# KiCad board central-control-unit.kicad_pcb (continued)
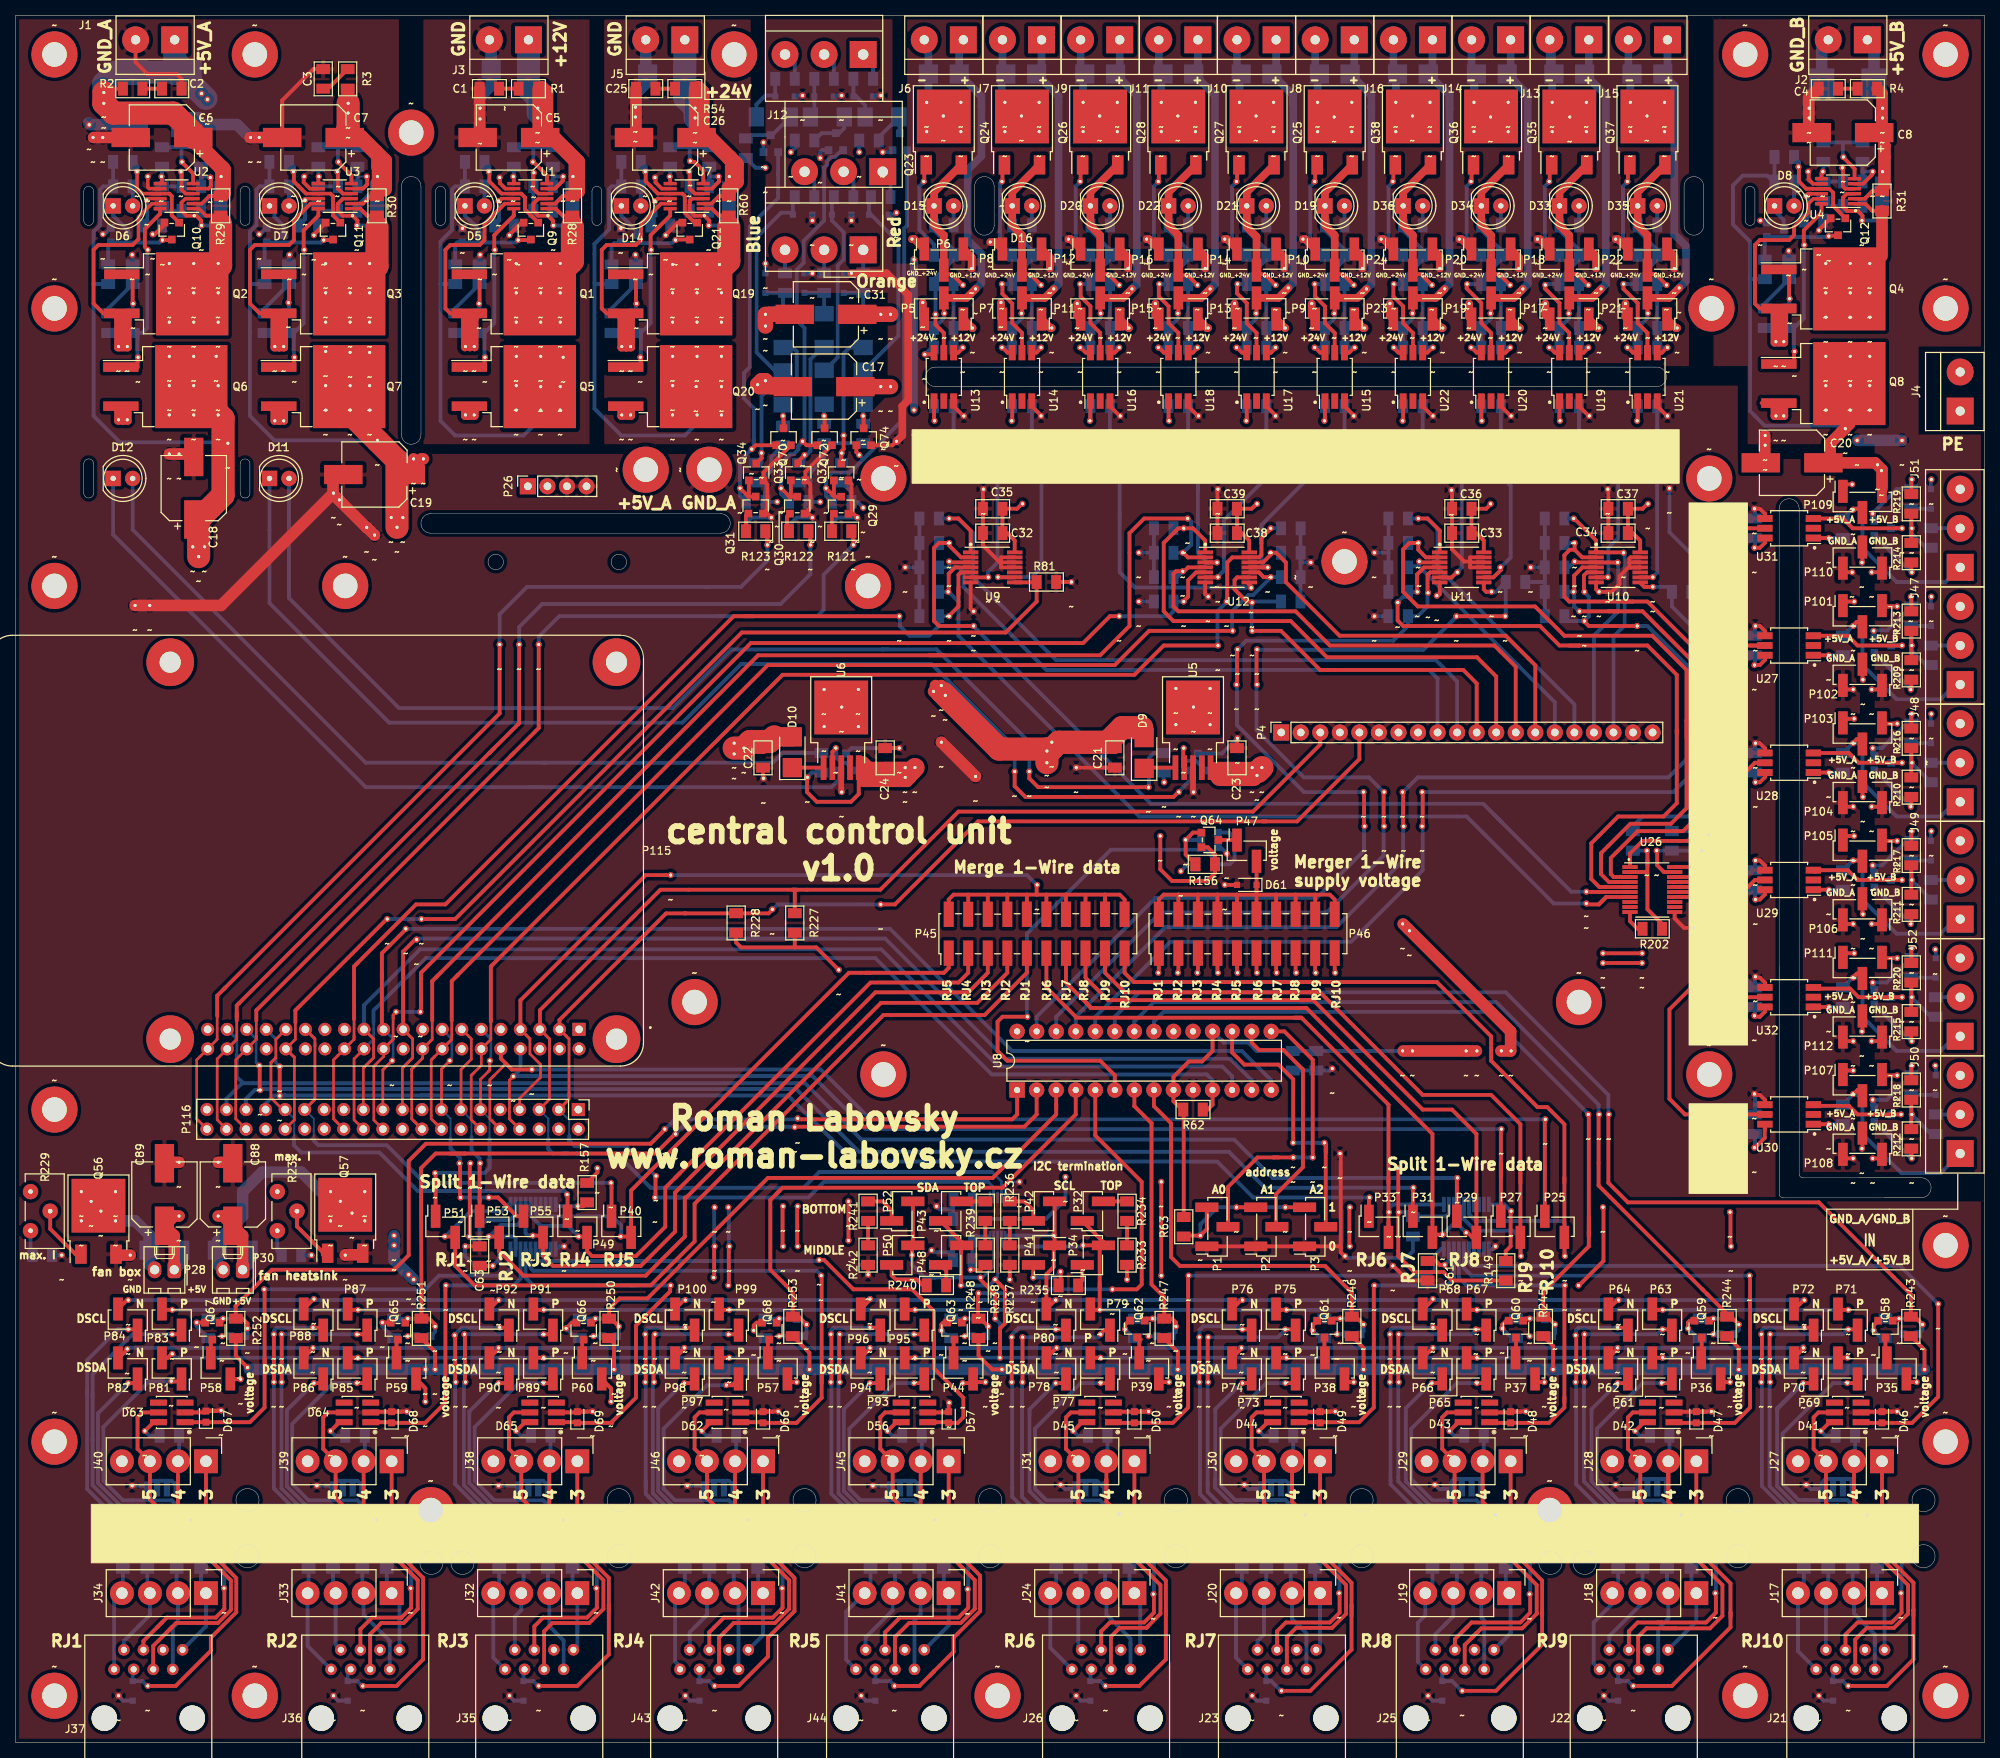
[diagram p0: board, top side]
## Routing (per net, layer and track width the routed paths; a pad name or vN(x,y) marks a point on that pad's centre or on a via; arc(x,y) is an arc through that point) (continued)
GND_B: length 240.5
  Top w0.45: U4.8 233.61,202.65
  Top w0.5: 233.61,202.65 233.05,203.21 233.05,204.22 ; Q12.2 234.34,196.6 234.32,196.6 ; 241.3,121.67 242.04,121.67 P104.1 ; 241.3,106.43 242.04,106.43 P106.1 ; P110.1 242.04,152.15 241.3,152.15 ; 241.3,136.91 242.04,136.91 P102.1 ; 241.3,75.95 242.04,75.95 P108.1 ; P112.1 242.04,91.19 241.3,91.19
  Top w1.5: 233.05,212.47 233.05,209.68 C8.2 ; 227.33,169.93 227.33,167 227.08,166.75 ; C4.2 233.05,213.74 233.05,211.2
  GND.Cu w0.5: 243.12,152.7 242.57,152.15 241.3,152.15 ; 230.51,193.84 230.51,197.04 ; 241.3,75.95 242.57,75.95 243.12,75.39 ; 243.12,106.98 242.57,106.43 241.3,106.43 ; 233.05,204.22 233.05,205.49 ; 241.3,136.91 242.57,136.91 243.12,137.46 ; 243.12,91.27 243.04,91.19 241.3,91.19 ; 243.12,121.11 242.57,121.67 241.3,121.67 ; 234.32,196.6 234.32,197.87
  GND.Cu w1: 226.81,197.86 226.8,197.82 227.74,196.88 227.74,196.82
  GND.Cu w1.5: 232.85,198.12 234.63,199.9 234.63,202.06 233.05,203.65 233.05,204.22 233.13,204.3 233.13,205.5 233.05,205.58 233.05,212.47 ; 232.85,198.12 232.85,197.87 234.32,197.87 ; 232.85,198.12 231.55,196.82 227.74,196.82 226.06,195.14 226.06,192.6 ; 243.12,123.02 243.12,141.91 ; 243.12,123.02 243.12,91.27 ; 243.12,123.02 243.12,121.11 ; 239.4,169.29 227.97,169.29 227.33,169.93 ; 243.12,91.27 243.12,90.63 ; 243.12,91.27 243.12,75.39 ; 226.06,192.6 226.06,194.5 ; 226.06,192.6 226.06,171.2 227.33,169.93 ; 227.33,169.29 227.33,168.66 227.33,169.93 ; 243.12,161.12 243.12,162.39 ; 243.12,161.12 243.12,163.5 245.11,165.48 245.11,169.29 ; 243.12,161.12 243.12,141.91 ; 243.12,141.91 243.12,148.35 243.12,145.1
  Bottom w0.5: C16.2 230.51,193.84 ; 227.58,197.62 Q16.2 227.35,197.87 226.7,197.87 ; C12.2 234.95,197.23 234.32,196.6
  Bottom w1.5: 233.05,211.2 233.05,213.97 D4.2 234.73,220.5 J2.2 ; 239.4,169.29 245.11,169.29
1WIRE_CELLAR_FIREPLACE_DATA_3V3: length 41.8
  Top w0.25: P51.1 54.61,69.05 ; 61.59,87.38 61.59,88.65
  Top w0.35: 61.44,87.22 61.66,87.44 ~#371.~ ; 61.44,87.22 61.59,87.38 ; 61.44,87.22 60.45,86.23 P116.11
  Top w0.5: 54.61,74.04 P51.1
  Bottom w0.25: 61.63,75.34 61.63,81.12 P116.11 ; 61.59,88.65 61.72,88.77 ; 61.72,91.55 60.55,92.72
  Bottom w0.35: ~#371.~ 61.7,88.69 ; 61.79,88.69 61.79,91.48 60.55,92.72 61.7,91.57
  Bottom w0.5: 61.59,78.49 61.63,78.49 61.63,75.91 ; 61.63,75.34 61.63,75.91 ; 61.63,75.91 61.63,74.71 60.96,74.04 54.61,74.04
1WIRE_CELLAR_FIREPLACE_DATA_5V_CON: length 40.6
  Top w0.5: 21.59,37.04 J40.2 ; J40.2 21.12,30.69 22.86,28.96 ; J40.2 21.12,36.88 ; 27.16,20.07 27.16,17.38 26.03,16.26 19.69,16.26 19.05,15.62 ; 21.41,35.88 21.62,36.08 ; 19.05,15.62 18.42,14.99 ; 19.05,15.62 16.64,13.21 J37.4
  Bottom w0.5: R274.2 21.27,36.72 J40.2 ; 22.86,28.96 27.16,24.66 27.16,20.07
1WIRE_CELLAR_FIREPLACE_GND_CON: length 50.4
  Top w0.5: J40.3 17.48,31.61 28.01,21.09 28.01,17.24 26.32,15.56 20.89,15.56 20.32,14.99 ; J40.3 15.88,38.19 15.88,42.29 16.51,42.93 D63.5 ; J40.3 16.51,37.55 ; 20.32,14.99 19.69,14.35 ; 20.32,14.99 20.32,14.98 17.91,12.57 J37.5
1WIRE_CELLAR_FIREPLACE_SUPPLY_5V_CON: length 218.3
  Top w0.5: 90.8,64.52 90.8,60.49 ; J40.1 24.77,25.32 28.71,21.38 28.71,16.95 25.4,13.64 25.4,11.94 20.83,7.37 17.15,7.37 ; ~#81.~ 27.96,47.24 P58.2 ; P46.1 148.59,100.08 ; 29.1,47.27 29.21,47.37
  PWR.Cu w0.5: 90.8,60.49 76.18,60.49 73.18,57.5 73.18,53.24 71.25,51.31 65.09,51.31 59.47,45.69 47.85,45.69 45.72,43.56 ; 29.21,47.37 29.21,41.66 ; 29.21,41.66 29.21,37.21 28.57,36.58 J40.1 ; 29.21,41.66 31.75,41.66 ; 45.72,43.56 43.81,41.66 31.75,41.66 ; 45.72,43.56 45.09,42.93 ; 31.75,41.66 31.11,41.66 ; 130.81,100.08 115.13,100.08 90.8,75.76 90.8,69.6 ; 130.81,100.08 129.54,100.08 ; 130.81,100.08 148.59,100.08
  Bottom w0.5: 17.15,7.37 16.51,8 D71.1 15.24,9.4 J37.3 ; 90.8,64.52 90.8,69.6
1WIRE_FIRST_FLOOR_FIREPLACE_DATA_3V3: length 28.5
  Top w0.25: 60.33,70.23 P53.1
  Top w0.35: P115.13 59.25,91.48 59.25,88.84 57.91,87.5 P116.13
  Top w0.5: 60.33,75.31 60.33,70.68 ; 60.33,70.68 P53.1 ; 60.33,70.68 60.33,70.34
  Bottom w0.25: 59.28,78.71 59.28,80.93 P116.13
  Bottom w0.5: 60.33,75.31 60.33,75.95 59.28,76.99 59.28,78.71
1WIRE_FIRST_FLOOR_FIREPLACE_DATA_5V_CON: length 35.9
  Top w0.5: 51.43,20.07 51.43,17.53 50.16,16.25 46.35,16.25 44.83,14.73 J36.4 ; 45.25,37.04 J39.2 45.25,30.69 46.99,28.96
  Bottom w0.5: J39.2 45.4,36.72 R272.2 ; 51.43,20.07 51.43,24.51 46.99,28.96
1WIRE_FIRST_FLOOR_FIREPLACE_GND_CON: length 45.1
  Top w0.5: 46.1,9.53 46.1,14.1 47.56,15.55 50.45,15.55 52.29,17.39 52.29,21.12 41.61,31.79 J39.3 40,38.19 40,42.29 40.64,42.93 D64.5
1WIRE_FIRST_FLOOR_FIREPLACE_SUPPLY_5V_CON: length 197.2
  Top w0.5: 92.71,59.44 92.71,64.52 ; 52.99,17.1 52.99,18.44 ; 52.99,18.44 52.99,21.41 48.89,25.5 J39.1 ; 52.99,18.44 52.99,10.82 49.53,7.37 45.09,7.37 ; ~#175.~ 53.28,46.06 P59.2 ; P46.3 151.13,100.08 ; P59.2 52.17,47.37 ; P59.2 53.11,46.23
  PWR.Cu w0.5: 92.71,59.44 91.44,59.44 ; 91.44,59.44 92.08,59.44 ; 91.44,59.44 87.01,59.44 80.24,52.67 80.24,49.31 77.56,46.63 74.21,46.63 73.35,45.78 ; 151.13,100.08 151.13,99.44 150.5,98.81 130.18,98.81 ; 130.18,98.81 128.27,98.81 ; 130.18,98.81 128.27,98.81 ; ~#175.~ 53.28,44.07 53.34,44.01 53.34,41.66 ; J39.1 51.43,36.58 53.34,38.48 53.34,41.66 ; 53.34,41.66 69.23,41.66 73.35,45.78 ; 73.35,45.78 73.04,45.47 ; 92.71,69.6 92.71,75.12 116.4,98.81 128.27,98.81
  Bottom w0.5: 92.71,64.52 92.71,69.6 ; 45.09,7.37 44.45,8 D72.1 43.18,9.14 J36.3
1WIRE_FREE1_DATA_3V3: length 167.3
  Top w0.5: P33.1 175.9,70.87 ; 34.29,88.01 34.35,87.95 34.35,84.11
  Bottom w0.25: 33.78,88.52 34.29,88.01
  Bottom w0.35: 33.85,88.9 33.85,91.48 P115.33 33.78,91.55 ; 33.85,88.9 33.85,88.52 ; 33.85,88.9 33.85,88.39 ~#368.~
  Bottom w0.5: 52.77,84.14 100.39,84.14 109,75.53 156.18,75.53 160.85,70.87 175.9,70.87 ; 52.77,84.14 54.29,84.14 53.91,84.14 ; 52.77,84.14 34.99,84.14 ; P116.33 32.51,83.06 33.57,84.11 34.35,84.11 34.38,84.14 34.99,84.14 ; 34.99,84.14 34.35,84.14
1WIRE_FREE1_DATA_5V_CON: length 38.9
  Top w0.5: 141.78,31.96 141.78,34.21 141.78,31.33 143.51,29.59 ; 147.96,19.43 147.96,16.89 146.69,15.62 142.24,15.62 141.1,14.48 J26.4 ; J31.2 141.78,33.57
  Bottom w0.5: 147.96,19.43 147.96,25.21 ~#65.~ ; R269.2 141.92,36.72 J31.2
1WIRE_FREE1_GND_CON: length 45.8
  Top w0.5: D45.5 137.16,42.93 136.53,42.29 136.53,38.19 J31.3 138.14,31.16 148.81,20.49 148.81,16.75 147.18,15.13 ; 147.18,15.13 146.97,14.92 ; 147.18,15.13 146.97,14.92 ; 146.97,14.92 143.51,14.92 142.37,13.78 142.37,9.53
1WIRE_FREE1_SUPPLY_5V_CON: length 171.2
  Top w0.5: ~#153.~ 148.99,46.86 148.59,47.27 148.7,47.37 ; J31.1 145.42,25.15 149.51,21.06 149.51,17.17 ; 149.51,17.17 149.51,16.46 ; 149.51,17.17 149.51,10.82 146.05,7.37 141.61,7.37 ; ~#309.~ ~#239.~ ; P46.11 161.29,100.08
  PWR.Cu w0.5: 150.08,72.99 150.9,72.99 ; 150.9,72.99 148.82,72.99 ; 150.9,72.99 180.56,72.99 182.88,75.31 182.88,93.73 181.61,95 163.83,95 161.29,97.54 161.29,100.08 ; 152.34,46.61 152.08,46.86 ~#153.~ ; 152.34,46.61 152.34,40.96 147.96,36.58 J31.1 ; 152.34,46.61 152.34,57.28 150.75,58.86 ; 150.75,58.86 151.07,58.55 ; 150.75,58.86 149.35,60.26 ; 149.86,59.75 149.35,60.26 ; 149.35,60.26 ~#239.~
  Bottom w0.5: 141.61,7.37 140.97,8 D55.1 139.7,9.4 J26.3
1WIRE_FREE2_DATA_3V3: length 175.8
  Top w0.5: P31.1 181.61,72.14 ; 31.75,84.84 31.75,88.01
  Bottom w0.25: 30.07,92.72 31.24,91.55 ; 31.24,88.52 31.75,88.01
  Bottom w0.35: ~#367.~ 31.29,88.41 31.29,91.5 30.07,92.72
  Bottom w0.5: 70.61,84.96 101.47,84.96 109.63,76.8 157.7,76.8 162.37,72.14 181.61,72.14 ; 70.61,84.96 33.15,84.96 ; 70.61,84.96 71.63,84.96 ; P116.35 29.97,83.69 31.11,84.84 31.75,84.84 31.88,84.96 33.53,84.96 33.15,84.96 ; 33.15,84.96 32.64,84.96
1WIRE_FREE2_DATA_5V_CON: length 39.1
  Top w0.5: 167.64,29.59 165.91,31.33 165.91,32.6 165.91,31.96 165.91,37.21 ; J23.4 163.96,14.47 165.1,15.62 170.81,15.62 172.09,16.89 172.09,19.43
  Bottom w0.5: ~#69.~ 172.02,25.15 172.09,25.15 172.09,19.43 ; R271.2 166.05,36.72 J30.2
1WIRE_FREE2_GND_CON: length 47.4
  Top w0.5: J23.5 165.23,13.71 166.44,14.92 171.1,14.92 172.94,16.75 172.94,20.49 162.27,31.16 162.27,37.21 ; D44.5 161.29,42.93 160.66,42.29 160.66,38.19 J30.3
1WIRE_FREE2_SUPPLY_5V_CON: length 149.8
  Top w0.5: J30.1 169.55,24.87 173.64,20.78 173.64,17.88 ; P46.13 163.83,100.08 ; 173.64,17.88 173.64,12.09 168.28,6.73 164.47,6.73 ; 173.64,17.88 173.64,16.46 ; 173.36,64.52 173.36,69.6 ; ~#252.~ 173.12,46.86 P38.2 172.83,47.37 ; 168.49,36.16 169.55,37.21
  PWR.Cu w0.5: 168.69,37.43 J30.1 172.72,36.58 173.99,37.85 173.99,53.72 ; 173.36,69.6 173.77,70.01 183.29,70.01 186.06,72.77 186.06,95 184.79,96.27 164.47,96.27 163.83,96.9 163.83,100.08 ; 173.99,53.72 173.99,63.88 173.36,64.52 ; 173.99,53.72 173.99,53.09
  Bottom w0.5: 164.47,6.73 163.2,8 D54.1 162.56,9.4 J23.3
1WIRE_FREE3_DATA_3V3: length 184.3
  Top w0.5: P29.1 187.33,72.14 ; 187.33,72.14 187.33,73.41 ; 187.33,72.14 187.33,72.2
  Bottom w0.35: 28.77,91.48 P115.37 28.7,91.55 ; 28.77,89.41 28.77,91.31
  Bottom w0.5: 29.59,85.72 32,85.72 ; 29.59,85.72 28.77,86.55 28.77,89.41 ; 29.59,85.72 29.24,86.07 ; 29.59,85.72 29.46,85.72 27.43,83.69 P116.37 ; 108.27,80.07 108.58,79.76 ; 108.27,80.07 102.62,85.72 32,85.72 ; 108.27,80.07 109.95,78.39 158.4,78.39 163.39,73.41 187.33,73.41 ; 32,85.72 32.64,85.72 31.5,85.72
1WIRE_FREE3_DATA_5V_CON: length 39.1
  Top w0.5: 196.85,19.43 196.85,16.89 195.58,15.62 189.23,15.62 188.6,14.98 ; J29.2 190.67,31.33 192.41,29.59 ; 188.6,14.98 187.96,14.35 ; 188.6,14.98 187.07,13.46 J25.4
  Bottom w0.5: J29.2 190.82,36.72 R268.2 ; ~#71.~ 192.34,29.46 196.85,24.96 196.85,19.43
1WIRE_FREE3_GND_CON: length 48.8
  Top w0.5: 189.23,13.59 189.93,14.29 ; 189.93,14.29 188.34,12.7 J25.5 ; 189.93,14.29 190.5,14.86 195.8,14.86 197.7,16.75 197.7,20.49 187.03,31.16 J29.3 185.42,38.19 185.42,42.29 186.06,42.93 D43.5
1WIRE_FREE3_SUPPLY_5V_CON: length 152.3
  Top w0.5: 206.38,69.6 206.38,62.61 203.2,59.44 ; 198.4,17.17 198.4,21.06 194.31,25.15 J29.1 ; 198.4,17.17 198.4,16.46 ; 198.4,17.17 198.4,12.73 192.41,6.73 187.96,6.73 ; ~#86.~ 197.89,46.86 P37.2 197.59,47.37 ; P46.15 166.37,100.08
  PWR.Cu w0.5: 166.37,100.08 166.37,98.17 167.01,97.54 189.87,97.54 201.93,85.47 201.93,80.39 206.38,75.95 206.38,69.6 ; 203.2,59.44 201.26,57.5 201.26,47.15 ; 201.26,47.15 200.98,46.86 ~#86.~ ; 201.26,47.15 201.26,40.35 197.49,36.58 J29.1 194.31,37.85
  Bottom w0.5: J25.3 185.42,9.14 D53.1 186.69,8 187.96,6.73
1WIRE_FREE4_DATA_3V3: length 161.5
  Top w0.25: P116.8 64.36,80.93 ; 64.36,86.24 64.77,86.65
  Top w0.35: 64.38,86.29 ~#372.~ 64.2,86.11 64.2,81.09 P116.8 64.38,80.91
  Top w0.5: 193.04,68.43 193.04,75.31 ; 193.04,75.31 193.04,73.51 ; 193.04,75.31 193.04,79.76
  Bottom w0.25: 65.41,89.92 65.5,90.01
  Bottom w0.5: 193.04,79.76 133.99,79.76 ; 133.99,79.76 110.49,79.76 103.59,86.65 64.77,86.65 65.63,87.51 P115.8 ; 133.99,79.76 132.72,79.76
1WIRE_FREE4_DATA_5V_CON: length 46.5
  Top w0.5: 213.36,15.62 214,15.62 ; 214,15.62 210.82,15.62 209.68,14.48 J22.4 ; 214,15.62 219.71,15.62 220.98,16.89 220.98,19.43 ; 214.8,34.84 J28.2 ; 216.54,29.59 214.8,31.33 214.8,35.48 214.8,31.96
  Bottom w0.5: R266.2 214.95,36.72 J28.2 ; 220.98,19.43 220.98,23.52 ; 220.98,23.52 220.98,25.08 220.41,25.65 ; 220.98,23.52 220.98,24.51 ; 220.41,25.65 220.66,25.4 ; 220.41,25.65 ~#74.~
1WIRE_FREE4_GND_CON: length 51.7
  Top w0.5: D42.5 210.19,42.93 209.55,42.29 209.55,38.19 J28.3 211.16,31.16 221.83,20.49 221.83,16.47 220.22,14.86 215.77,14.86 ; 215.77,14.86 214.12,14.86 ; 215.77,14.86 211.96,14.86 210.88,13.77 210.88,9.59 J22.5
1WIRE_FREE4_SUPPLY_5V_CON: length 172.8
  Top w0.5: 222.89,16.89 222.89,16.26 ; 222.89,16.89 222.89,14.99 215.27,7.37 210.19,7.37 ; 222.89,16.89 222.89,20.7 218.44,25.15 J28.1 ; 222.89,64.52 222.89,68.96 ; 206.38,101.35 211.46,101.35 ; ~#143.~ 222.02,46.86 P36.2 221.72,47.37 ; P46.17 168.91,100.08
  PWR.Cu w0.5: ~#276.~ 222.95,58.93 225.49,56.39 225.49,46.61 ; 225.49,46.61 225.49,40.45 221.62,36.58 ; 225.49,46.61 225.23,46.86 ~#143.~ ; 211.46,98.81 211.46,98.17 ; 211.46,98.17 211.46,80.39 222.89,68.96 ; 211.46,98.17 211.46,101.35 ; 168.91,100.08 168.91,99.44 169.55,98.81 186.69,98.81 189.23,101.35 206.38,101.35 ; 221.62,36.58 J28.1 ; 221.62,36.58 222.89,37.85
  Bottom w0.5: J22.3 208.28,9.4 D52.1 209.55,8 210.19,7.37
1WIRE_FREE5_DATA_3V3: length 164.9
  Top w0.35: 62.2,86.71 63.75,88.26 ; 62.2,86.71 61.66,86.17 61.66,81.09 P116.10 61.84,80.91 ; 62.2,86.71 61.84,86.35
  Top w0.5: P25.1 198.76,81.03 ; P115.10 63.09,88.93 64.52,87.5 67.06,87.5
  Bottom w0.5: 198.76,81.03 111.12,81.03 104.65,87.5 67.06,87.5 67.12,87.57
1WIRE_FREE5_DATA_5V_CON: length 36.9
  Top w0.5: 240.67,29.59 238.93,31.33 238.93,36.58 ; J21.4 237.82,14.05 239.4,15.62 243.84,15.62 245.11,16.89 245.11,19.43
  Bottom w0.5: ~#78.~ 245.11,25.08 245.11,23.69 ; 238.93,36.58 239.08,36.72 R270.2 ; 245.11,23.69 245.11,24.51 ; 245.11,23.69 245.11,19.43
1WIRE_FREE5_GND_CON: length 45.7
  Top w0.5: J21.5 239.09,13.41 240.6,14.92 244.13,14.92 245.96,16.75 245.96,20.49 235.29,31.16 J27.3 233.68,38.19 233.68,42.29 234.32,42.93 D41.5
1WIRE_FREE5_SUPPLY_5V_CON: length 189.4
  Top w0.5: 246.66,16.46 246.66,17.25 ; 246.66,17.25 246.66,20.78 242.57,24.87 J27.1 ; 246.66,17.25 246.66,10.82 243.21,7.37 238.12,7.37 ; 245.85,47.37 P35.2 246.15,46.86 ~#136.~ ; P46.19 171.45,100.08 ; 206.38,102.62 211.46,102.62
  PWR.Cu w0.5: J27.1 245.3,36.58 246.06,37.34 246.06,42.93 249.87,46.74 ; 212.73,98.81 212.73,81.03 224.16,69.6 244.03,69.6 244.79,68.83 244.79,60.2 249.87,55.12 249.87,46.74 ; 212.73,98.81 212.73,101.98 212.09,102.62 211.46,102.62 ; 212.73,98.81 212.73,99.44 ; ~#136.~ 249.75,46.86 249.87,46.74 ; 206.38,102.62 187.96,102.62 185.42,100.08 171.45,100.08
  Bottom w0.5: J21.3 236.22,9.19 D51.1 237.49,8 238.12,7.37
1WIRE_HOT_WATER_TANK_DATA_3V3: length 59.9
  Top w0.35: 33.76,88.94 33.21,88.39 ; 33.21,88.39 33.21,83.82 34.73,82.3 P116.31 ; 33.21,88.39 33.85,89.03 33.85,91.42 P115.31
  Top w0.5: P49.1 71.75,71.31
  Bottom w0.25: 36.23,79.72 36.23,78.52 36.2,78.49 ; 36.23,79.72 36.23,79.38 ; 36.23,79.72 36.23,81.12 P116.31
  Bottom w0.5: 36.2,77.85 36.2,78.3 ; 36.2,78.3 36.2,77.66 37.15,76.71 47.31,76.71 52.3,71.72 71.35,71.72 71.75,71.31 ; 36.2,78.3 36.2,78.49
1WIRE_HOT_WATER_TANK_DATA_5V_CON: length 40.3
  Top w0.5: 93.52,37.04 J46.2 93.52,31.96 ; 93.52,31.33 93.52,31.96 ; 93.52,31.96 93.52,30.69 95.25,28.96 ; J43.4 90.17,14.35 92.08,16.25 98.42,16.25 99.69,17.53 99.69,20.07
  Bottom w0.5: 95.25,28.96 99.69,24.51 99.69,20.07 ; R275.2 93.66,36.72 J46.2 ; 89.66,11.81 90.8,11.81
1WIRE_HOT_WATER_TANK_GND_CON: length 48.9
  Top w0.5: 92.08,14.28 92.11,14.32 ; 92.11,14.32 91.44,13.65 J43.5 ; 92.11,14.32 93.34,15.55 98.71,15.55 100.55,17.39 100.55,21.12 89.88,31.79 J46.3 88.27,38.19 88.27,42.29 88.9,42.93 D62.5 89.53,42.93
1WIRE_HOT_WATER_TANK_SUPPLY_5V_CON: length 159.7
  Top w0.5: J46.1 97.16,35.31 ; J46.1 97.16,25.5 101.25,21.41 101.25,17.1 97.79,13.64 97.79,13.08 ; J46.1 97.16,35.94 96.52,35.31 ; 90.8,7.37 93.98,7.37 97.79,11.18 97.79,13.08 ; ~#215.~ 100.73,46.86 P57.2 ; 101.6,64.52 101.6,69.6 ; 97.79,11.81 97.79,13.08 ; P46.7 156.21,100.08
  PWR.Cu w0.5: 156.21,100.08 156.21,97.54 154.94,96.27 125.92,96.27 121.6,91.95 121.6,84.33 111.32,74.04 104.77,74.04 101.6,70.87 101.6,69.6 ; 97.79,36.58 J46.1 99.69,36.58 101.6,38.48 101.6,64.52
  Bottom w0.5: 90.8,7.37 90.17,8 D70.1 J43.3
1WIRE_MERGE_CONNECTION_DATA_3V3: length 142.5
  Top w0.35: 68.26,86.61 68.26,88.14 66.87,89.53 66.87,91.48 P115.7 66.8,91.55 ; 68.26,86.61 68.26,86.49 65.53,83.76 P116.7 ; 68.26,86.61 68.26,87.76
  Top w0.5: P45.6 126.36,110.24 ; 141.61,110.24 143.51,110.24 144.15,109.6 P45.20 ; 141.61,110.24 136.53,110.24 ; 141.61,110.24 P45.18 ; 123.83,110.24 128.91,110.24 ; 123.83,110.24 P45.4 ; 123.83,110.24 121.92,110.24 121.29,109.6 P45.2 ; 128.91,110.24 P45.8 ; 128.91,110.24 131.45,110.24 ; P45.12 133.99,110.24 ; 133.99,110.24 136.53,110.24 ; 133.99,110.24 132.72,110.24 ; 136.53,110.24 P45.14 ; 132.72,110.24 132.72,111.51 ; 132.72,110.24 131.45,110.24 ; 131.45,110.24 P45.10 ; 85.09,112.78 81.91,112.78 65.63,96.49 P115.7 ; P45.16 139.07,110.22
  Bottom w0.5: 132.72,111.51 131.45,112.78 85.09,112.78
1WIRE_OUTDOOR_SENSOR_DATA_3V3: length 65.5
  Top w0.35: 38.86,91.55 P115.29 38.93,91.48 38.93,90.55 ; 38.93,90.55 38.93,83.63 P116.29 38.86,83.57 ; 38.93,90.55 38.93,90.93
  Top w0.5: P40.1 77.47,72.77
  Bottom w0.25: P116.29 38.77,81.12 38.77,79.72 ; 38.77,79.38 38.77,79.72 ; 38.77,79.72 38.77,78.52 38.73,78.49
  Bottom w0.5: 77.47,72.77 53.15,72.77 48.26,77.66 39.37,77.66 38.73,78.3 38.73,78.49
1WIRE_OUTDOOR_SENSOR_DATA_5V_CON: length 39.4
  Top w0.5: J44.4 113.03,14.35 114.94,16.25 122.55,16.25 123.83,17.53 123.83,20.07 ; J45.2 117.64,30.69 119.38,28.96
  Bottom w0.5: R267.2 117.79,36.72 J45.2 ; 119.38,28.96 123.83,24.51 123.83,20.07
1WIRE_OUTDOOR_SENSOR_GND_CON: length 50.5
  Top w0.5: J44.5 114.3,13.72 116.14,15.55 122.84,15.55 124.68,17.39 124.68,21.12 114,31.79 J45.3 112.39,38.19 112.39,42.29 113.03,42.93 D56.5 113.66,42.93
1WIRE_OUTDOOR_SENSOR_SUPPLY_5V_CON: length 165.8
  Top w0.5: P46.9 158.75,100.08 ; P44.2 123.93,46.74 ~#228.~ ; P44.2 124.86,46.86 ~#158.~ ; P44.2 124.57,47.37 ; 114.3,7.37 117.48,7.37 119.38,9.27 ; ~#992.~ ~#991.~ ; 118.74,8.64 119.38,9.27 ; 119.38,9.27 119.38,9.27 ; 119.38,9.27 121.92,11.81 121.92,13.64 125.38,17.1 125.38,21.69 121.29,25.78 J45.1
  PWR.Cu w0.5: 158.75,100.08 158.75,97.54 156.43,95.21 128.04,95.21 124.14,91.31 124.14,83.06 112.71,71.63 109.54,71.63 ~#991.~ ; ~#228.~ 118.11,51.75 118.11,56.9 115.98,59.02 108.81,59.02 108.27,59.56 ~#992.~ ; J45.1 124.46,36.58 126.05,38.16 ~#158.~
  Bottom w0.5: J44.3 D60.1 113.66,8 114.3,7.37
1WIRE_SECOND_FLOOR_FIREPLACE_DATA_3V3: length 45.4
  Top w0.25: 65.02,68.58 64.04,69.56 ; P116.15 55.37,87.5 56.52,88.65
  Top w0.35: P116.15 55.37,87.57 ~#370.~
  Top w0.5: 57.78,71.5 57.78,75.31 ; 57.78,71.5 57.78,70.78 ; 57.78,71.5 57.78,73.41 ; 61.59,70.87 62.73,70.87 65.16,68.43 P55.1
  Bottom w0.25: 56.64,91.55 P115.15 ; P116.15 56.55,81.12 56.55,78.52
  Bottom w0.35: P115.15 56.71,91.48 56.71,91.06 ; ~#370.~ 56.71,88.9 56.71,91.06 ; 56.71,91.06 56.71,91.34
  Bottom w0.5: 57.78,70.78 57.88,70.87 61.59,70.87 ; 57.78,75.31 57.78,76.01 56.55,77.25 ; 56.55,77.25 56.55,78.52 ; 56.55,77.25 56.57,77.25
1WIRE_SECOND_FLOOR_FIREPLACE_DATA_5V_CON: length 37.6
  Top w0.5: 71.12,28.96 69.39,30.69 J38.2 69.39,37.04 ; J35.4 67.44,15.11 68.58,16.25 74.29,16.25 75.56,17.53 75.56,20.07
  Bottom w0.5: 71.12,28.96 75.56,24.51 75.56,20.07 ; J38.2 69.53,36.72 R273.2
1WIRE_SECOND_FLOOR_FIREPLACE_GND_CON: length 46.8
  Top w0.5: J35.5 68.71,14.47 69.78,15.54 69.78,15.55 74.58,15.55 76.42,17.39 76.42,21.12 65.75,31.79 J38.3 64.14,38.19 64.14,42.29 64.77,42.93 D65.5
1WIRE_SECOND_FLOOR_FIREPLACE_SUPPLY_5V_CON: length 182.4
  Top w0.5: 77.12,17.88 77.12,11.46 73.02,7.37 67.94,7.37 ; 77.12,17.88 77.12,17.1 ; 77.12,17.88 77.12,21.41 73.02,25.5 J38.1 ; ~#166.~ 77.41,46.06 76.2,47.27 76.3,47.37 ; 99.69,64.52 99.69,69.6 ; P46.5 153.67,100.08
  PWR.Cu w0.5: 153.67,100.08 153.67,98.17 153.04,97.54 130.81,97.54 ; 130.81,97.54 128.91,97.54 129.73,97.54 ; 130.81,97.54 129.73,97.54 ; 77.47,41.66 86.36,41.66 94.23,49.53 99.25,49.53 100.52,50.8 100.52,63.75 ~#118.~ ; 129.73,97.54 124.02,97.54 119.7,93.22 119.7,84.96 110.05,75.31 103.5,75.31 99.69,71.5 99.69,69.6 ; ~#166.~ 77.41,38.42 75.56,36.58 J38.1 73.66,36.58
  Bottom w0.5: 67.94,7.37 67.31,8 D73.1 66.04,9.4 J35.3
/1-Wire bus/1WIRE_CELLAR_FIREPLACE_DATA_5V: length 62.9
  Top w0.5: D63.1 D67.1 30.48,41.66 32.38,43.56 32.38,49.91 ; 32.38,49.91 32.38,49.28 ; 32.38,49.91 32.38,58.93
  Bottom w0.25: 64.36,62.49 64.3,62.44 ; 64.36,61.56 64.3,61.51
  Bottom w0.5: 64.36,61.56 U24.20 ; 64.3,61.51 63.5,60.71 55.05,60.71 53.28,58.93 32.38,58.93
/1-Wire bus/1WIRE_CELLAR_FIREPLACE_DATA_OUT_3V3: length 112.8
  Top w0.5: 55.88,65.79 57.05,65.79 P51.2 57.15,61.98 59.69,59.44 82.55,59.44 88.27,65.15 88.27,70.04 112.81,94.58 125.95,94.58 131.45,100.08 P45.9
  Bottom w0.5: 55.88,65.79 59.18,69.09 63.18,69.09 64.05,69.96 U24.1
/1-Wire bus/1WIRE_FIRST_FLOOR_FIREPLACE_DATA_5V: length 40
  Top w0.5: D64.1 48.8,41.66 D68.1 53.25,41.57 55.88,44.2 55.88,59.44
  Bottom w0.25: U24.18 65.66,63.5
  Bottom w0.5: 65.66,63.5 65.66,60.32 64.77,59.44 55.88,59.44
/1-Wire bus/1WIRE_FIRST_FLOOR_FIREPLACE_DATA_OUT_3V3: length 100.2
  Top w0.5: 101.92,85.6 112.49,96.17 125,96.17 128.91,100.08 P45.7 ; 101.92,85.6 101.38,85.06 ; 101.92,85.6 87,70.68 ; 87,70.68 87,70.87 ; 87,70.68 87,65.79 81.91,60.71 66.04,60.71 62.86,63.88 P53.2 62.76,65.79 61.59,65.79
  Bottom w0.5: U24.3 65.66,67.75 65.18,67.28 63.09,67.28 61.59,65.79
/1-Wire bus/1WIRE_FREE1_DATA_5V: length 65
  Top w0.5: 152.4,60.71 152.4,43.56 150.41,41.57 144.87,41.57 ; 144.87,41.57 D50.1 146.37,41.57 ; 144.87,41.57 142.79,41.57 D45.1
  Bottom w0.5: U23.20 185.25,64.15 184.47,63.37 184.47,61.47 183.71,60.71 152.4,60.71
/1-Wire bus/1WIRE_FREE1_DATA_OUT_3V3: length 82.5
  Top w0.5: 178.44,73.41 178.44,72.77 ; 178.44,73.41 178.44,67.06 ; 178.44,73.41 178.44,82.93 167.13,94.23 166.24,94.23 ; P45.11 133.99,98.17 137.8,94.36 ; 178.44,67.06 P33.2 ; 178.44,67.06 178.44,67.69 ; 166.24,94.23 167.01,94.23 ; 166.24,94.23 137.8,94.23
  Bottom w0.5: U23.1 179.62,69.96 ; 179.43,69.96 179.62,69.96 ; 179.62,69.96 178.99,69.96 178.5,69.47 ~#108.~
/1-Wire bus/1WIRE_FREE2_DATA_5V: length 44.2
  Top w0.5: 168.91,41.66 174.62,41.66 176.53,43.56 176.53,50.55 176.53,49.91 ; 168.91,41.66 169.46,41.66 D49.1 ; 168.91,41.66 D44.1 ; 176.53,49.91 176.53,49.28 ; 176.53,49.91 176.53,59.44
  Bottom w0.25: 186.94,64.15 186.94,63.63
  Bottom w0.5: 186.94,63.63 186.94,61.59 ; 186.94,61.59 186.94,60.32 186.06,59.44 176.53,59.44 ; 186.94,61.59 186.94,62.23
/1-Wire bus/1WIRE_FREE2_DATA_OUT_3V3: length 83.7
  Top w0.5: 184.15,69.6 184.15,70.23 ; 184.15,70.23 184.15,79.12 167.77,95.5 166.5,95.5 ; 184.15,70.23 184.15,65.68 184.51,66.04 ~#106.~ ; 166.5,95.5 167.64,95.5 ; 166.5,95.5 140.46,95.5 ; 139.07,96.27 136.53,98.81 P45.13 ; 139.07,96.27 139.7,95.63 ; 139.07,96.27 139.83,95.5 140.46,95.5 ; 140.46,95.5 139.7,95.5
  Bottom w0.25: 186.94,68.77 186.94,69.96
  Bottom w0.5: ~#106.~ 186.94,67.5 186.94,69.96
/1-Wire bus/1WIRE_FREE3_DATA_5V: length 45.6
  Top w0.5: 201.3,59.44 201.3,44.83 ; 201.3,44.83 201.3,43.56 199.3,41.57 D48.1 191.68,41.57 D43.1 ; 201.3,44.83 201.3,44.2
  Bottom w0.25: U23.17 187.59,63.51 187.64,63.46
  Bottom w0.5: 201.3,59.44 188.59,59.44 187.59,60.44 U23.17
/1-Wire bus/1WIRE_FREE3_DATA_OUT_3V3: length 83.9
  Top w0.5: 188.59,66.42 189.34,65.68 P29.2 189.87,68.33 ; 189.87,68.33 189.87,79.12 186.69,82.3 182.88,82.3 168.66,96.52 166.75,96.52 ; 189.87,68.33 189.87,67.59 ; P45.15 139.07,99.44 141.99,96.52 166.75,96.52 ; 166.75,96.52 168.28,96.52
  Bottom w0.5: U23.4 187.59,67.24 ~#105.~ 188.4,66.42
/1-Wire bus/1WIRE_FREE4_DATA_5V: length 71
  Top w0.5: 217.72,41.57 215.63,41.57 D42.1 ; 217.72,41.57 D47.1 ; 217.72,41.57 223.43,41.57 225.43,43.56 225.43,48.64 ; 225.43,60.71 225.43,48.64 ; 225.43,48.64 225.43,48.01
  Bottom w0.25: 188.24,62.97 188.24,64.24
  Bottom w0.5: 188.91,61.02 189.23,60.71 225.43,60.71 ; 188.91,61.02 188.24,61.7 U23.16 ; 188.91,61.02 188.59,61.34
/1-Wire bus/1WIRE_FREE4_DATA_OUT_3V3: length 98
  Top w0.5: 195.58,74.04 195.58,80.39 191.77,84.2 182.88,84.2 169.55,97.54 168.28,97.54 ; 195.58,74.04 195.58,72.77 ; 195.58,74.04 P27.2 195.58,63.25 ; 168.28,97.54 168.66,97.54 ; 168.28,97.54 144.15,97.54 141.61,100.08 P45.17 141.61,100.71
  Bottom w0.5: U23.5 188.24,68.05 189.74,66.55 194.63,66.55 195.64,65.53 ~#102.~
/1-Wire bus/1WIRE_FREE5_DATA_5V: length 92.3
  Top w0.5: ~#135.~ 249.87,44.96 246.48,41.57 245.21,41.57 ; D41.1 240.49,41.66 240.58,41.57 D46.1 245.21,41.57 ; 245.21,41.57 246.29,41.57
  Bottom w0.5: U23.15 188.89,62.32 189.23,61.98 240.98,61.98 ; ~#135.~ 244.92,61.98 240.98,61.98 ; 240.98,61.98 243.65,61.98
/1-Wire bus/1WIRE_FREE5_DATA_OUT_3V3: length 110.6
  Top w0.5: 201.3,73.41 201.3,80.39 199.07,82.61 197.8,82.61 191.77,88.65 191.77,91.82 184.72,98.87 145.35,98.87 144.15,100.08 P45.19 ; 201.3,73.41 P25.2 201.3,63.25 ; 201.3,73.41 201.3,72.77
  Bottom w0.25: 201.3,63.25 201.3,67.5 200.98,67.82
  Bottom w0.5: U23.6 188.89,68.71 189.78,67.82 200.98,67.82 201.36,67.44 ~#101.~
/1-Wire bus/1WIRE_HOT_WATER_TANK_DATA_5V: length 71.6
  Top w0.5: 104.77,46.74 104.77,48.92 ; D62.1 97.06,41.66 D66.1 101.51,41.57 104.77,44.83 104.77,55.63 ; 104.77,54.64 104.77,55.63 ; 104.77,55.63 104.77,60.71
  Bottom w0.25: 66.95,61.7 67.06,61.6
  Bottom w0.5: 67.06,61.6 67.31,61.34 104.14,61.34 104.77,60.71 ; U24.16 66.95,61.7
/1-Wire bus/1WIRE_HOT_WATER_TANK_DATA_OUT_3V3: length 83.9
  Top w0.5: 73.02,65.79 74.19,65.79 P49.2 74.3,63.88 74.93,63.25 80.01,63.25 ; 80.01,63.25 80.64,63.25 84.45,67.06 84.45,72.14 86.36,74.04 ; 80.01,63.25 80.51,63.25 ; 86.36,74.04 85.72,73.41 ; 86.36,74.04 111.12,98.81 122.55,98.81 123.83,100.08 P45.3
  Bottom w0.5: U24.5 66.95,68.49 68.26,67.18 71.82,67.18 ~#129.~
/1-Wire bus/1WIRE_MERGE_CONNECTION_SUPPLY_5V_CON: length 52